# Altium PCB MB1936.PcbDoc (part 11 of 13) (continued)
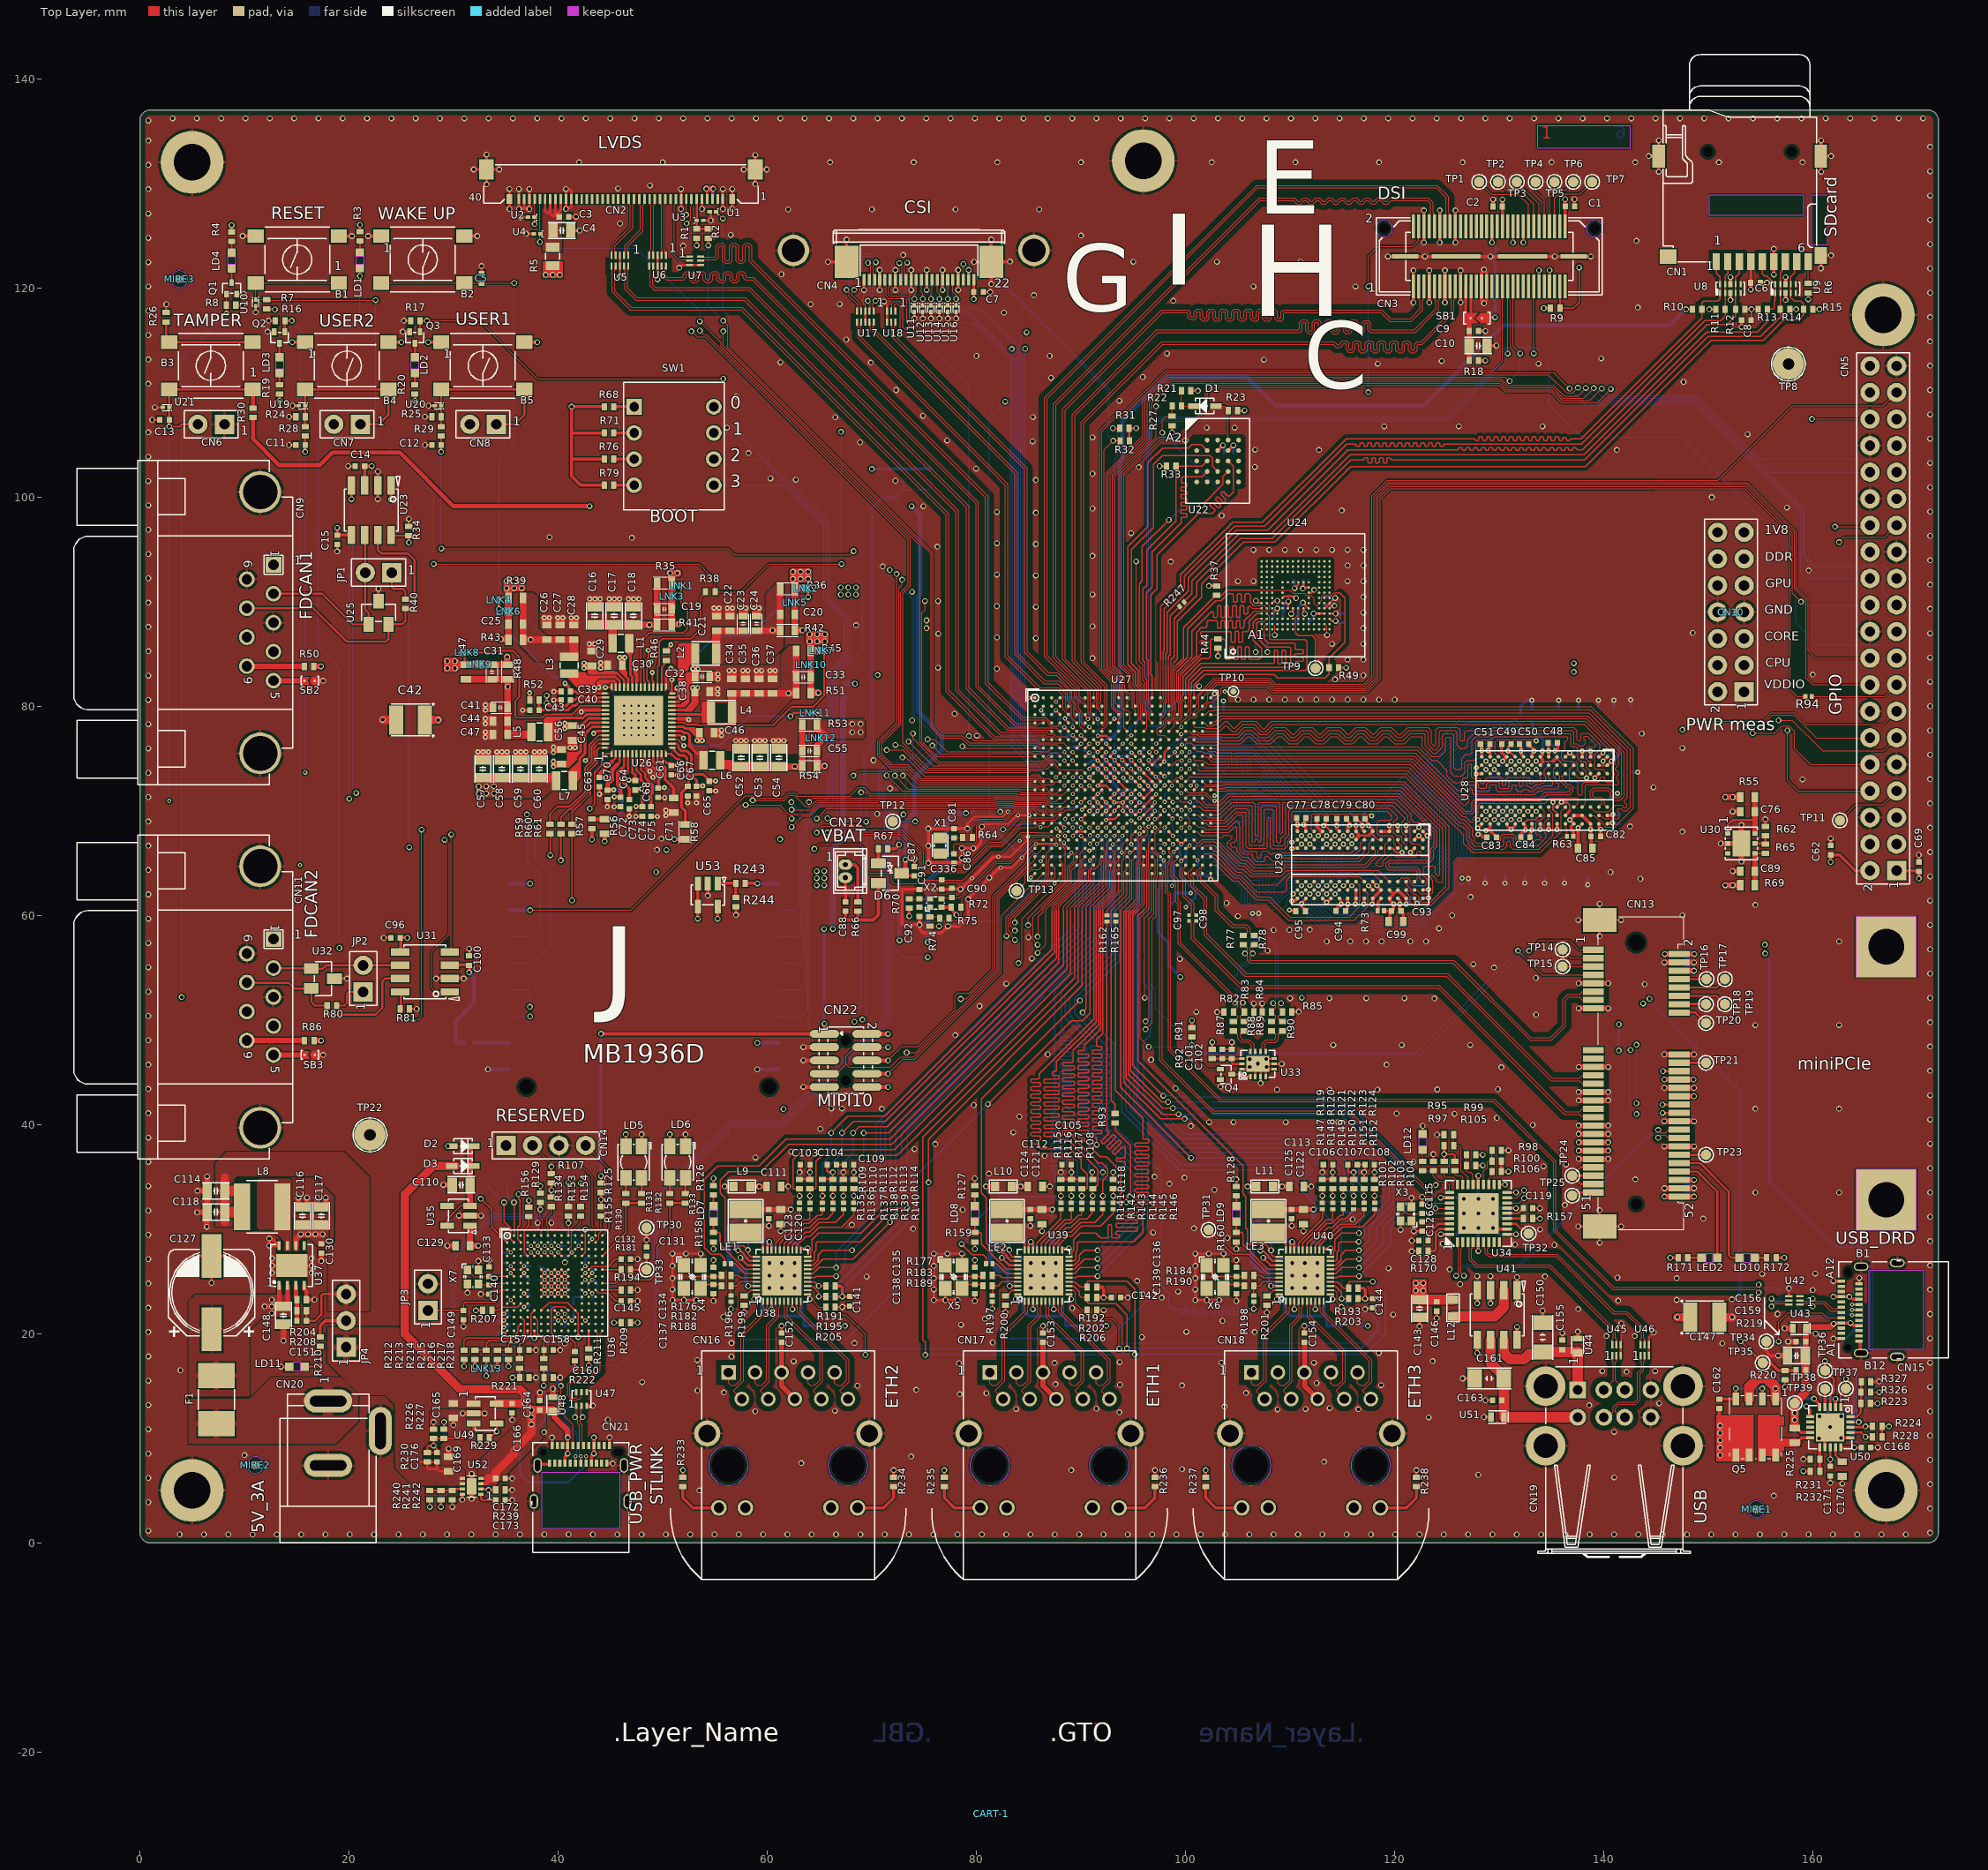
[diagram p0: Top Layer view]
## Nets (pads, with @x,y where several pads share a name; then routed paths per layer and width w, separated by ;. In a path a pad name is that pad's centre, name@x,y a point inside that pad or via, vN(x,y) a via of type N, cw(c..) or ccw(c..) an arc to the next point about the centre after c; other vN are vias at no path point) (continued)
SD.SDMMC1_D3: CN1.2 R11.1 U8.2 U8.9 U27.B16 | length 86.1
  Top Layer w0.09: U27.B16@97.6,80 97.6,80.365 97.805,80.57 97.805,80.574 97.885,80.654 97.885,81.151 97.861,81.175 97.861,84.475
  Top Layer w0.11: 97.861,84.475 97.861,85.186 97.938,85.262 97.938,89.284 99.15,90.496 99.896,91.242 99.896,92.421 104.684,97.209 107.584,97.209 115.425,105.05 115.8,105.05 116.219,105.05 116.31,104.959 116.31,104.917 116.401,104.826 116.583,104.826 116.674,104.917 116.674,105.074 116.765,105.165 116.947,105.165 117.038,105.074 117.038,104.917 117.129,104.826 117.311,104.826 117.402,104.917 117.402,105.074 117.493,105.165 117.675,105.165 117.766,105.074 117.766,104.917 117.857,104.826 118.039,104.826 118.13,104.917 118.13,105.074 118.221,105.165 118.403,105.165 118.494,105.074 118.494,104.917 118.585,104.826 118.767,104.826 118.858,104.917 118.858,105.074 118.949,105.165 119.131,105.165 119.222,105.074 119.222,104.917 119.313,104.826 119.495,104.826 119.586,104.917 119.586,105.074 119.677,105.165 119.859,105.165 119.95,105.074 119.95,104.917 120.041,104.826 120.223,104.826 120.314,104.917 120.314,105.074 120.405,105.165 120.587,105.165 120.678,105.074 120.678,104.917 120.769,104.826 120.951,104.826 121.042,104.917 121.042,105.074 121.133,105.165 121.315,105.165 121.406,105.074 121.406,104.917 121.497,104.826 121.679,104.826 121.77,104.917 121.77,105.074 121.861,105.165 122.043,105.165 122.134,105.074 122.134,104.917 122.225,104.826 122.407,104.826 122.498,104.917 122.498,105.074 122.589,105.165 122.771,105.165 122.862,105.074 122.862,104.917 122.953,104.826 123.135,104.826 123.226,104.917 123.226,105.074 123.317,105.165 123.499,105.165 123.59,105.074 123.59,104.917 123.681,104.826 123.863,104.826 123.954,104.917 123.954,105.074 124.045,105.165 124.227,105.165 124.318,105.074 124.318,104.928 124.409,104.837 124.591,104.837 124.682,104.928 124.682,104.959 124.773,105.05 125.7,105.05 137.85,105.05 149.675,116.875 151.2,116.875 151.6,117.275 R11.1@151.6,117.95 U8.2@151.6,119.52 U8.9@151.6,120.34 151.6,121.128 151.85,121.378 CN1.2@151.85,122.5
SD.uSD_DETECT: R6.1 U27.B13 | length 98.8
  Top Layer w0.09: 93.85,84.475 93.85,83.92 94.745,83.025 94.745,81.835 95.095,81.485 95.095,80.158 95.2,80.053 U27.B13@95.2,80
  Top Layer w0.1: 93.85,84.475 93.85,102.078 97.497,105.725 99.165,105.725 101.9,108.46 101.9,110 102.575,110.675 129.96,110.675 130.575,110.06 134.929,110.06 135.378,109.611 ; 135.371,109.604 135.94,109.035 139.36,109.035 v1(140.675,110.35)
  Top Layer w0.2: v1(159.55,118.905) R6.1@159.55,119.525
  Signal Layer 2 w0.1: v1(140.675,110.35) 144.2,110.35 149.6,115.75 157.375,115.75 159.55,117.925 v1(159.55,118.905)
SRC_GDPG: C162.1 Q5.2 Q5.4 R325.2 U50.5 | length 13.2
  Top Layer w0.2: Q5.2@155.15,13.755 Q5.2@155.155,13.75
  Top Layer w0.3: C162.1@151.045,13.75 Q5.4@152.615,13.75 ; Q5.4@152.61,13.755 v1(152.61,14.75) ; Q5.2@155.15,13.755 v1(155.15,14.75) ; v1(160.1,13.775) 160.65,13.225 U50.5@160.65,12.975
  Bottom Layer w0.3: v1(152.61,14.75) v1(155.15,14.75) 155.925,15.525 158.025,15.525 159.345,14.205 159.345,14.03 R325.2@159.45,13.925 ; R325.2@159.401,13.775 v1(160.1,13.775)
SRC_GDPS: Q5.1 Q5.3 R325.1 U50.6 | length 11.6
  Top Layer w0.3: Q5.1@156.42,13.755 v1(156.42,14.75) ; v1(159.375,13.05) 159.725,12.7 U50.6@159.725,12.05
  Top Layer w1: Q5.3@153.885,13.75 153.885,14.9 154.741,15.756 155.569,15.756 156.425,14.9 Q5.1@156.425,13.75
  Bottom Layer w0.3: v1(156.42,14.75) 157.295,13.875 R325.1@158.55,13.875 ; R325.1@158.55,13.925 158.655,13.82 158.655,13.41 158.982,13.082 159.343,13.082 v1(159.375,13.05)
STLK_LED: R130.1 R131.2 U36.D15 | length 7.5
  Top Layer w0.12: U36.D15@44.225,27.425 46.475,29.675 R130.1@46.475,32.475
  Top Layer w0.2: R130.1@46.475,32.475 R131.2@47.975,32.475
STLK_NRST: C149.2 JP3.1 U36.J1 | length 9
  Top Layer w0.12: JP3.1@27.597,22.225 C149.2@30.95,22.225 30.95,22.879 31.071,23 33.93,23 34.185,23.255 34.185,23.775 34.585,24.175 U36.J1@35.125,24.175
STLK_OSC_IN: C133.1 U36.G1 X7.1 | length 4.1
  Top Layer w0.1: X7.1@31.325,26.1 31.325,26.05 31.95,25.425 32.95,25.425 33,25.475 C133.1@33.395,25.475
  Top Layer w0.12: C133.1@33.395,25.475 U36.G1@35.125,25.475
STLK_OSC_OUT: C140.2 U36.H1 X7.3 | length 2.8
  Top Layer w0.1: X7.3@32.375,24.75 32.45,24.675 C140.2@33.395,24.675
  Top Layer w0.12: C140.2@33.395,24.675 33.95,24.675 34.1,24.825 U36.H1@35.125,24.825
STLK_SWCLK: CN14.2 U36.A14 | length 12.7
  Top Layer w0.1: CN14.2@37.545,38 39.145,36.4 41.85,36.4 43.25,35 43.25,30.3 43.575,29.975 U36.A14@43.575,29.375
STLK_SWDIO: CN14.4 U36.A15 | length 9.8
  Top Layer w0.1: CN14.4@42.625,38 44.875,35.75 44.875,30.025 U36.A15@44.225,29.375
STLK_UCPD_CC1_C: C157.1 R217.1 U36.M5 | length 5.3
  Top Layer w0.12: 36.568,19.068 37.4,19.9 37.4,21.9 U36.M5@37.725,22.225
  Top Layer w0.125: C157.1@36.305,18.425 36.305,18.994 36.378,19.068 36.568,19.068
  Top Layer w0.2: R217.1@36.305,17.6 C157.1@36.305,18.425
STLK_UCPD_CC2_C: C158.1 R218.1 U36.N5 | length 4.3
  Top Layer w0.12: U36.N5@37.725,21.575 38.05,21.25 38.05,19.95 38.625,19.375 C158.1@38.625,18.425
  Top Layer w0.2: R218.1@38.625,17.6 C158.1@38.625,18.425
STLK_USB_CN_N: CN21.A7 CN21.B7 U47.2 | length 12.3
  Top Layer w0.1: CN21.B7@41.665,7.61 v5(41.665,8.27) ; U47.2@42.225,13.114 42.225,12.139 v1(42.35,12.014) 42.11,11.774 42.11,11.49 42.275,11.325 42.275,9.65 42.415,9.51 CN21.A7@42.415,9.31
  Bottom Layer w0.1: v5(41.665,8.27) 41.665,8.339 41.805,8.479 41.805,10.161 40.555,11.411 40.555,12.53 41.1,13.075 41.775,13.075 42.085,12.765 42.085,12.267 42.338,12.014 v1(42.35,12.014)
STLK_USB_CN_P: CN21.A6 CN21.B6 U47.1 | length 11.6
  Top Layer w0.1: U47.1@41.725,13.114 41.725,12.139 v1(41.6,12.014) 41.89,11.724 41.89,11.465 41.89,11.399 42.055,11.234 42.055,9.65 41.915,9.51 CN21.A6@41.915,9.31 ; CN21.B6@42.165,7.61 v5(42.165,8.27)
  Bottom Layer w0.1: v1(41.6,12.014) 41.612,12.014 41.865,12.267 41.865,12.674 41.684,12.855 41.191,12.855 40.775,12.439 40.775,11.503 42.025,10.253 42.025,8.479 42.165,8.339 v5(42.165,8.27)
STLK_USB_N: U36.R14 U47.5 | length 10.5
  Top Layer w0.1: U47.5@42.225,14.414 42.225,13.889 42.091,13.755 41.883,13.755 41.758,13.63 41.359,13.63 40.905,14.084 40.905,15.18 41.525,15.8 43,15.8 43.79,16.59 43.79,20.06 U36.R14@43.575,20.275
STLK_USB_P: U36.R15 U47.6 | length 9.5
  Top Layer w0.1: U47.6@41.725,14.414 41.725,13.909 41.666,13.85 41.45,13.85 41.125,14.175 41.125,15.089 41.616,15.58 41.774,15.58 43.008,15.58 43.091,15.58 44.01,16.499 44.01,20.06 U36.R15@44.225,20.275
STLK_VCP_RX: R154.1 U36.C10 | length 3.7
  Top Layer w0.1: U36.C10@40.975,28.075 41.3,28.4 41.3,29.737 42.15,30.587 R154.1@42.15,31.25
STLK_VCP_TX: R134.1 U36.A7 | length 3
  Top Layer w0.1: U36.A7@39.025,29.375 39.025,30.274 38.925,30.374 38.925,31.08 39.35,31.505 R134.1@39.35,32.15
T_JTDI: R207.1 U36.L3 | length 3
  Top Layer w0.12: R207.1@33.675,22.225 34.3,22.225 34.625,22.55 36.1,22.55 U36.L3@36.425,22.875
T_PWR_EN: R229.2 R239.2 U36.R5 U49.4 U52.2 | length 21
  Top Layer w0.12: v1(37.725,19.575) U36.R5@37.725,20.275
  Top Layer w0.2: U52.2@32.625,5.15 v1@33.35,5.15 ; v1(33.35,5.05) R239.2@34.025,5.05 ; R229.2@33.425,10.05 33.425,10.145 33.58,10.3 33.78,10.3 v1(34.125,10.645) U49.4@34.125,11.425
  Bottom Layer w0.1: v1(33.35,5.05) 33.35,9.87 v1(34.125,10.645) 34.125,15.875 34.725,16.475 34.725,17.9 36.4,19.575 v1(37.725,19.575)
T_PWR_EXT: R215.1 R216.1 U36.R4 | length 4.1
  Top Layer w0.12: R215.1@34.2,18.425 R216.1@35.25,18.425 35.25,18.975 35.342,19.068 35.955,19.068 36.262,19.375 36.425,19.375 37.075,20.025 U36.R4@37.075,20.275
T_PWR_INT: C176.2 R226.1 R227.2 R230.2 U36.B13 U49.3 | length 44.1
  Top Layer w0.15: U36.B13@42.925,28.725 v2(43.25,29.05)
  Top Layer w0.2: U49.3@31.925,11.425 31.925,10.854 31.046,9.975 R226.1@28.07,9.975 v1(28.07,9.3) ; v1(28.07,9.3) 27.637,9.3 27.475,9.138 R230.2@27.475,8.625 C176.2@28.425,8.625 28.425,8.945 v1(28.07,9.3)
  Bottom Layer w0.1: v1(28.07,9.3) 29.55,10.78 29.55,11.426 29.775,11.651 29.775,27.541 33.659,31.425 40.867,31.425 41.931,30.361 41.931,29.919 42.8,29.05 v2(43.25,29.05)
T_PWR_LED: R132.2 R133.2 U36.H15 | length 14.3
  Top Layer w0.12: U36.H15@44.225,24.825 45.445,24.825 45.77,25.15 48.775,25.15 49.45,25.825 49.45,28.293 50.675,29.518 R132.2@50.675,32.475
  Top Layer w0.2: R132.2@50.675,32.475 R133.2@52.175,32.475
T_PWR_SEL1: R241.2 U36.D10 | length 40.9
  Top Layer w0.15: U36.D10@40.975,27.425 v2(41.3,27.75)
  Top Layer w0.2: v1(28.795,3.425) R241.2@28.795,4.1
  Bottom Layer w0.1: v1(28.795,3.425) 28.795,4.195 30.6,6 30.6,12.049 30.175,12.474 30.175,27.375 33.825,31.025 39.526,31.025 41.3,29.251 v2(41.3,27.75)
T_PWR_SEL2: R240.2 U36.C11 | length 41.4
  Top Layer w0.15: U36.C11@41.625,28.075 v2(41.95,28.4)
  Top Layer w0.2: v1(27.72,3.425) R240.2@27.72,4.1
  Bottom Layer w0.1: v1(27.72,3.425) 30.4,6.105 30.4,11.9 29.975,12.325 29.975,27.458 33.742,31.225 39.609,31.225 41.95,28.884 v2(41.95,28.4)
T_SWCLK: R153.1 U36.A10 U36.M6 U36.M11 | length 20.4
  Top Layer w0.12: U36.M6@38.375,22.225 39.113,22.963 40.887,22.963 U36.M11@41.625,22.225 41.925,21.925 v1(41.925,19.675) ; U36.A10@40.975,29.375 v1(40.975,30.575)
  Top Layer w0.2: v1(40.975,30.575) R153.1@40.975,31.25
  Signal Layer 2 w0.1: v1(40.975,30.575) 40.975,28.075 40.215,27.315 40.215,26.645 40.47,26.39 40.569,26.39 41.925,25.034 v1(41.925,19.675)
T_SWDIO: R209.1 U36.L2 U36.N12 | length 17.3
  Top Layer w0.15: v2(35.45,23.2) U36.L2@35.775,22.875 ; U36.N12@42.275,21.575 v2(42.6,21.25)
  Top Layer w0.2: v1(45.35,21.05) R209.1@46.025,21.05
  Signal Layer 2 w0.1: v2(35.45,23.2) 38.8,19.85 38.8,18.775 39.75,17.825 41.625,17.825 42.6,18.8 v2(42.6,21.25) 43.875,21.25 44.075,21.05 v1(45.35,21.05)
T_SWO: R129.1 U36.A6 U36.D12 | length 11.3
  Top Layer w0.1: v1(38.3,31.875) 38.3,31.046 38.5,30.846 38.5,29.9 38.375,29.775 U36.A6@38.375,29.375
  Top Layer w0.12: U36.D12@42.275,27.425 42.6,27.75 v1(42.6,29.975)
  Top Layer w0.2: v1(38.3,31.875) R129.1@38.3,32.55
  Signal Layer 2 w0.1: v1(38.3,31.875) 41.025,31.875 41.812,31.087 41.812,30.762 v1(42.6,29.975)
T_VCC: LNK13.2 R214.2 | length 0.6
  Top Layer w0.2: LNK13.2@33.125,16.88 R214.2@33.125,17.525
T_VCC_AIN: R213.1 R214.1 U36.N3 | length 7.4
  Top Layer w0.12: R213.1@32.05,18.425 R214.1@33.125,18.425 33.125,19.068 33.383,19.325 35.687,19.325 36.071,19.709 36.366,19.709 36.75,20.093 36.75,21.25 U36.N3@36.425,21.575
TCPP_EN: R326.1 U27.Y4 | length 137.9
  Top Layer w0.1: v1(84.025,55.425) 84.35,55.75 84.35,59.675 87.147,62.472 87.428,62.472 88.3,63.343 88.3,64.91 88,65.21 U27.Y4@88,65.6 ; R326.1@165.5,14.4 v1(166.325,14.4)
  Signal Layer 2 w0.1: v1(84.025,55.425) 84.632,55.425 84.892,55.165 87.81,55.165 88.389,54.587 94.619,54.587 97.556,51.65 97.556,49.161 100.192,46.525 101.717,45 139.75,45 141.875,42.875 147.25,42.875 151.775,38.35 151.775,12.7 157.1,7.375 163.7,7.375 166.5,10.175 166.5,11.35 167.1,11.95 167.1,13.625 v1(166.325,14.4)
TCPP_INTN: U27.W6 U50.19 | length 131.1
  Top Layer w0.09: U50.19@163.575,11.55 v1(164.375,11.55)
  Top Layer w0.1: v1(85.851,57.184) 85.42,57.615 85.42,59.82 86.075,60.475 86.2,60.6 86.2,60.705 88.722,63.227 88.722,64.601 89.31,65.189 89.31,65.72 89.6,66.01 U27.W6@89.6,66.4
  Signal Layer 2 w0.1: v1(85.851,57.184) 86.406,56.629 87.195,56.629 88.637,55.187 94.868,55.187 98.156,51.898 98.156,49.41 100.441,47.125 140.774,47.125 142.124,45.775 149.271,45.775 153.675,41.371 153.675,12.05 156.925,8.8 163.024,8.8 164.075,9.851 164.075,11.25 v1(164.375,11.55)
TOF_INT: CN4.12 U12.1 U27.J5 | length 56.2
  Top Layer w0.1: CN4.12@74.75,120.75 74.75,119.55 74.86,119.44 v1(74.86,118.937) U12.1@74.86,118.312 ; v2(88.4,74.8) U27.J5@88.8,74.4
  Bottom Layer w0.1: v1(74.86,118.937) 75.822,117.975 80.242,117.975 83.825,114.392 83.825,113.833 84.05,113.608 84.05,77.818 87.068,74.8 v2(88.4,74.8)
TOF_LPn: CN4.11 U11.1 U27.K4 | length 56.7
  Top Layer w0.1: U11.1@74.06,118.312 v1(74.06,118.937) 74.06,119.385 74.25,119.575 CN4.11@74.25,120.75 ; v2(87.6,73.2) U27.K4@88,73.6
  Bottom Layer w0.1: v1(74.06,118.937) 75.222,117.775 79.149,117.775 83.65,113.274 83.65,77.149 v2(87.6,73.2)
UART5_RX: R125.1 R155.1 U27.H3 | length 80.6
  Top Layer w0.09: 81.172,74.485 84.782,74.485 84.862,74.565 86.439,74.565 86.939,75.065 87.011,75.065 87.146,75.2 U27.H3@87.2,75.2
  Top Layer w0.1: v1(73.925,77.375) 73.907,77.375 73.925,77.357 73.925,76.908 76.348,74.485 81.172,74.485
  Top Layer w0.2: R155.1@44.1,32.15 v1(44.1,32.825) R125.1@44.1,33.5
  Bottom Layer w0.1: v1(44.1,32.825) 48.923,32.825 56.473,40.375 61.325,40.375 71.25,50.3 71.25,70.25 70.586,70.914 70.586,73.721 71.49,74.625 73.275,74.625 73.925,75.275 v1(73.925,77.375)
UART5_TX: R211.1 U27.G3 | length 92.6
  Top Layer w0.09: 82.831,75.659 82.837,75.659 ; 86.865,75.665 U27.G3@87.2,76
  Top Layer w0.1: v1(75.332,76.834) 75.981,76.834 77.176,75.639 81.172,75.639 81.182,75.649 82.821,75.649 82.831,75.659 85.38,75.659 85.401,75.68 86.126,75.68 86.141,75.665 86.865,75.665
  Top Layer w0.2: v1(42.925,16.98) R211.1@42.925,17.655
  Bottom Layer w0.1: v1(42.925,16.98) 45.855,16.98 49.21,20.335 49.21,32.829 56.556,40.175 61.408,40.175 71.45,50.217 71.45,70.333 70.791,70.992 70.791,73.636 71.58,74.425 73.358,74.425 74.825,75.892 74.825,76.327 v1(75.332,76.834)
UCPD_CC1: TP37.1 U27.T15 U50.1 | length 112.9
  Top Layer w0.09: v2(96.455,68.481) 96.468,68.481 96.787,68.8 U27.T15@96.8,68.8
  Top Layer w0.2: U50.1@162.65,12.975 162.65,14.25 TP37.1@163.15,14.75 ; TP37.1@163.153,14.753 v1(163.153,15.646)
  Signal Layer 2 w0.1: v2(96.455,68.481) 96.455,64.975 97.18,64.25 99.542,64.25 101.75,62.042 101.75,60.475 101.75,53 104.15,50.6 108.075,50.6 108.675,50 131.35,50 133.175,51.825 143.5,51.825 v1(143.75,51.575)
  Bottom Layer w0.1: v1(143.75,51.575) 144.542,51.575 152.925,43.192 152.925,22.6 155.85,19.675 157.801,19.675 160.683,16.793 162.005,16.793 v1(163.153,15.646)
UCPD_CC2: TP36.1 U27.T17 U50.3 | length 112.5
  Top Layer w0.1: v2(98,68.4) U27.T17@98.4,68.8
  Top Layer w0.2: TP36.1@161.15,16.475 162,15.625 162,14.424 161.65,14.074 U50.3@161.65,12.975 ; TP36.1@161.153,16.478 v1(161.153,17.371)
  Signal Layer 2 w0.1: v2(98,68.4) 96.645,67.044 96.645,65.054 97.259,64.44 99.621,64.44 99.811,64.25 99.825,64.25 101.925,62.15 101.925,62.136 101.95,62.111 101.95,60.475 101.95,53.083 104.233,50.8 108.158,50.8 108.758,50.2 131.267,50.2 133.092,52.025 v1(144.375,52.025)
  Bottom Layer w0.1: v1(144.375,52.025) 153.125,43.275 153.125,22.683 155.933,19.875 157.884,19.875 160.388,17.371 v1(161.153,17.371)
USART2_RX: R107.1 R134.2 U27.W15 | length 82.5
  Top Layer w0.09: U27.W15@96.8,66.4 96.8,66.138 97.305,65.633 97.305,63.626 97.165,63.486 97.165,59.915 96.938,59.688
  Top Layer w0.1: v1(96.175,49.098) 96.8,49.723 96.8,59.55 96.938,59.688
  Top Layer w0.2: R134.2@39.35,33.05 v1(39.35,33.725) R107.1@39.35,34.4
  Signal Layer 2 w0.1: v1(39.35,33.725) 41.9,33.725 52.55,33.725 58.875,40.05 73.05,40.05 82.098,49.098 83.3,49.098 v1(96.175,49.098)
USART2_TX: R154.2 U27.Y15 | length 79.3
  Top Layer w0.09: 96.689,59.889 96.975,60.175 96.975,63.595 97.115,63.735 97.115,65.285 U27.Y15@96.8,65.6
  Top Layer w0.1: R154.2@42.15,32.15 v1(42.15,34.4) ; v1(96.175,49.85) 96.525,50.2 96.525,59.725 96.689,59.889
  Signal Layer 2 w0.1: v1(42.15,34.4) 42.625,33.925 52.467,33.925 58.792,40.25 72.967,40.25 82.015,49.298 82.4,49.298 95.623,49.298 v1(96.175,49.85)
USB1CN_N: CN19.T2 U45.1 | length 3.6
  Top Layer w0.1: CN19.T2@140,14.62 140.89,15.51 140.89,17.285 140.75,17.425 U45.1@140.75,17.775
USB1CN_P: CN19.T3 U45.2 | length 3.6
  Top Layer w0.1: U45.2@141.25,17.775 141.25,17.425 141.11,17.285 141.11,15.51 CN19.T3@142,14.62
USB2CN_N: CN19.B2 U46.1 | length 8.4
  Top Layer w0.1: CN19.B2@140,12 140.34,12 140.89,12.55 140.89,12.976 141.389,13.476 142.976,13.476 143.231,13.731 143.231,16.231 143.59,16.59 143.59,17.285 143.45,17.425 U46.1@143.45,17.775
USB2CN_P: CN19.B3 U46.2 | length 8.4
  Top Layer w0.1: CN19.B3@142,12 141.66,12 141.11,12.55 141.11,12.885 141.481,13.256 143.067,13.256 143.451,13.639 143.451,16.139 143.81,16.499 143.81,17.285 143.95,17.425 U46.2@143.95,17.775
USB_DCONN_N: CN15.A7 CN15.B7 U42.2 | length 13.2
  Top Layer w0.1: U42.2@158.75,23.175 159,23.175 159.09,23.085 159.387,23.085 159.721,23.085 v1(159.986,23.35) 159.995,23.35 160.25,23.095 161.092,23.095 161.802,22.385 162.36,22.385 162.5,22.525 CN15.A7@162.7,22.525 ; v5(163.74,21.775) CN15.B7@164.4,21.775
  Bottom Layer w0.1: v1(159.986,23.35) 159.721,23.085 158.807,23.085 158.53,22.808 158.53,22.159 159.159,21.53 161.35,21.53 161.735,21.915 163.531,21.915 163.671,21.775 v5(163.74,21.775)
USB_DCONN_P: CN15.A6 CN15.B6 U42.1 | length 12.5
  Top Layer w0.1: U42.1@158.75,22.775 159,22.775 159.09,22.865 159.478,22.865 159.721,22.865 v1(159.986,22.6) 159.986,22.608 160.253,22.875 161.001,22.875 161.711,22.165 162.36,22.165 162.5,22.025 CN15.A6@162.7,22.025 ; v5(163.74,22.275) CN15.B6@164.4,22.275
  Bottom Layer w0.1: v1(159.986,22.6) 159.721,22.865 158.899,22.865 158.75,22.716 158.75,22.25 159.25,21.75 161.259,21.75 161.644,22.135 163.531,22.135 163.671,22.275 v5(163.74,22.275)
USBDN2_N: U34.3 U45.6 | length 19.5
  Top Layer w0.1: U34.3@127,28.75 127,28.25 127.14,28.11 127.14,27.049 127.834,26.355 134.759,26.355 140.89,20.224 140.89,19.565 140.75,19.425 U45.6@140.75,19.075
USBDN2_P: U34.4 U45.5 | length 19.5
  Top Layer w0.1: U34.4@127.5,28.75 127.5,28.25 127.36,28.11 127.36,27.14 127.925,26.575 134.85,26.575 141.11,20.315 141.11,19.565 141.25,19.425 U45.5@141.25,19.075
USBDN3_N: U34.6 U46.6 | length 20.5
  Top Layer w0.1: U34.6@128.5,28.75 128.5,28.25 128.64,28.11 128.64,27.685 128.95,27.375 135.439,27.375 140.914,21.9 142.133,21.9 143.59,20.443 143.59,19.875 143.59,19.565 143.45,19.425 U46.6@143.45,19.075
USBDN3_P: U34.7 U46.5 | length 20.5
  Top Layer w0.1: U34.7@129,28.75 129,28.25 128.86,28.11 128.86,27.776 129.041,27.595 135.53,27.595 141.005,22.12 142.224,22.12 143.81,20.534 143.81,19.565 143.95,19.425 U46.5@143.95,19.075
USBDR_N: U27.Y17 U42.5 | length 94.3
  Top Layer w0.1: U27.Y17@98.4,65.6 98.4,65.546 98.48,65.466 98.48,65.28 98.08,64.88 98.08,62.245 98.35,61.975 98.35,47.114 103.284,42.18 129.434,42.18 135.2,36.414 135.2,29.839 140.834,24.205 154.54,24.205 v1(154.81,23.935) ; v1(156.027,23.35) 156.292,23.085 156.523,23.085 157.36,23.085 157.45,23.175 U42.5@157.7,23.175
  Bottom Layer w0.1: v1(154.81,23.935) 155.075,24.2 156.65,24.2 156.85,24 156.85,23.535 156.4,23.085 156.292,23.085 v1(156.027,23.35)
USBDR_P: U27.W17 U42.6 | length 95.6
  Top Layer w0.1: U27.W17@98.4,66.4 98.4,66.01 98.7,65.71 98.7,65.189 98.3,64.789 98.3,62.336 98.57,62.066 98.57,47.205 103.375,42.4 129.525,42.4 135.42,36.505 135.42,29.93 140.925,24.425 154.55,24.425 v1(154.81,24.685) ; v1(156.027,22.6) 156.292,22.865 156.432,22.865 157.36,22.865 157.45,22.775 U42.6@157.7,22.775
  Bottom Layer w0.1: v1(154.81,24.685) 155.075,24.42 156.741,24.42 157.07,24.091 157.07,23.444 156.491,22.865 156.292,22.865 v1(156.027,22.6)
USBH_N: U27.AB16 U34.30 | length 52.3
  Top Layer w0.1: U27.AB16@97.6,64 97.603,63.997 97.603,63.728 97.536,63.661 97.536,46.128 102.589,41.075 115.589,41.075 122.914,33.75 v1(123.35,33.75) ; v1(123.35,32.5) U34.30@125.25,32.5
  Bottom Layer w0.1: v1(123.35,32.5) 123.35,32.525 123.68,32.855 123.68,33.42 v1(123.35,33.75)
USBH_P: U27.AA16 U34.31 | length 53.5
  Top Layer w0.1: U27.AA16@97.6,64.8 97.6,64.439 97.89,64.149 97.89,63.88 97.823,63.813 97.823,63.637 97.756,63.569 97.756,46.219 102.68,41.295 115.68,41.295 122.775,34.2 123.1,34.2 v1(123.925,34.2) ; v1(123.9,31.975) 123.925,32 U34.31@125.25,32
  Bottom Layer w0.1: v1(123.9,31.975) 123.9,34.175 v1(123.925,34.2)
VBAT: C87.2 D6.3 R30.2 U27.P7 | length 127.5
  Top Layer w0.2: v2(90.1,70.1) U27.P7@90.4,70.4
  Top Layer w0.3: D6.3@73.2,64.375 72.85,64.025 D6.3@72.825,64.025 73.075,63.775 C87.2@74.062,63.775
  Top Layer w0.4: R30.2@10.813,107.613 10.813,105.562 13.325,103.05 17.2,103.05 18.4,104.25 24.85,104.25 29.975,99.125 v1(43,99.125)
  Top Layer w0.45: D6.3@73.2,64.375 v1(73.2,65.331)
  Signal Layer 3 w0.45: v1(43,99.125) v1(73.8,99.125) ; v1(73.2,65.331) 73.2,65.625 73.6,66.025 76.3,66.025 77.4,67.125 83.383,67.125 83.908,67.65 84.15,67.65 86.6,70.1 v2(90.1,70.1)
  Bottom Layer w0.45: v1(73.2,65.331) 73.2,68.874 74.075,69.749 74.075,73.175 76.675,75.775 76.675,77.25 74.45,79.475 74.45,90.525 74.6,90.675 74.6,98.325 v1(73.8,99.125)
VBUS_DIV: R219.1 R220.2 TP35.1 U27.AA6 | length 113.9
  Top Layer w0.1: v1(85.851,56.429) 86.62,57.198 86.62,60.475 86.62,60.589 89.102,63.07 89.102,64.302 U27.AA6@89.6,64.8
  Top Layer w0.2: v1(153.075,19.275) 153.096,19.275 155.171,17.2 TP35.1@155.193,17.2
  Top Layer w0.3: TP35.1@155.193,17.2 155.196,17.197 155.958,17.197 156.675,16.48 157.32,16.48 R220.2@157.325,16.475 R219.1@158.4,16.475
  Signal Layer 2 w0.1: v1(85.851,56.429) 87.112,56.429 88.555,54.987 94.785,54.987 97.956,51.816 97.956,49.327 100.358,46.925 140.691,46.925 142.041,45.575 149.189,45.575 153.475,41.289 153.475,19.669 153.081,19.275 v1(153.075,19.275)
VBUS_HOST_EN: R323.2 U34.16 U41.3 | length 16.1
  Top Layer w0.1: U34.16@130.75,32.5 131.925,32.5 v1(132.375,32.95)
  Top Layer w0.3: v1(129.16,22.9) U41.3@129.16,24.15
  Signal Layer 2 w0.15: v1(129.16,22.9) 130.544,22.9 132.4,24.757 132.4,32.925 v1(132.375,32.95)
  Bottom Layer w0.3: v1(129.16,22.9) R323.2@129.16,23.775
VBUS_HOST_EN2: R324.2 U34.18 U41.4 | length 16.9
  Top Layer w0.15: U34.18@130.75,33.5 v1(131.6,33.5)
  Top Layer w0.3: v1(127.89,22.9) U41.4@127.89,24.15
  Signal Layer 2 w0.15: v1(127.89,22.9) 128.415,23.425 130.715,23.425 132.15,24.86 132.15,32.246 131.6,32.796 v1(131.6,33.5)
  Bottom Layer w0.3: v1(127.89,22.9) R324.2@127.89,23.775
VBUS_HOST_FAULT2n: U34.19 U41.5 | length 20.6
  Top Layer w0.2: U34.19@130,34.25 v1(130.55,34.25)
  Top Layer w0.3: v1(127.89,18.15) U41.5@127.89,19.4
  Signal Layer 2 w0.2: v1(127.89,18.15) 127.89,20.98 127.22,21.65 127.22,23.58 127.865,24.225 129.635,24.225 130.55,25.14 v1(130.55,34.25)
VBUS_HOST_FAULTn: U34.17 U41.8 | length 17
  Top Layer w0.1: U34.17@130.75,33 131.701,33 132.025,33.324 132.025,33.364 v1(132.37,33.709)
  Top Layer w0.3: U41.8@131.7,19.4 v1(131.7,20.65)
  Signal Layer 2 w0.15: v1(131.7,20.65) 131.7,22 132.925,23.225 132.925,33.154 v1(132.37,33.709)
VBUS_STLK: C164.1 C166.2 C172.2 CN21.A4 CN21.A9 CN21.B4 CN21.B9 D3.1 U48.1 U49.5 U52.3 U52.4 | length 58.6
  Top Layer w0.3: U52.3@32.625,5.65 33.149,5.65 33.325,5.826 33.325,6.15 U52.4@32.625,6.15 ; C164.1@38.25,12.7 C164.1@38.262,12.688 ; U48.1@39.488,12.688 U48.1@39.5,12.675 ; CN21.B9@40.665,7.61 40.665,8.244 40.915,8.494 v1(40.915,8.535) v1(40.915,10.063) ; CN21.B4@43.165,7.61 43.165,8.244 43.415,8.494 v1(43.415,8.535) CN21.A9@43.415,9.31 v1(43.415,10.063)
  Top Layer w0.55: U48.1@39.5,12.675 39.63,12.675 39.63,12.014 40.019,11.625 40.915,10.729 v1(40.915,10.063)
  Top Layer w0.8: D3.1@30.22,36.025 28.05,36.025 25.35,33.325 25.35,19.95 30.63,14.67 36.351,14.67 36.82,14.201 v1(36.82,13.325) ; 33.325,6.15 C172.2@34.025,6.15 34.025,6.75 35.8,8.525 35.8,8.875 37.445,10.52 v1(37.445,12.7) ; U49.5@34.125,13.325 C166.2@35.6,13.325 v1(36.82,13.325) ; C164.1@38.25,12.7 v1(37.445,12.7) ; C164.1@38.262,12.688 U48.1@39.488,12.688 ; v1(36.82,13.325) v1(37.445,12.7)
  other v1: 37.445,11.327 37.445,12.014
VBUSc: C156.2 C159.2 CN15.A4 CN15.A9 CN15.B4 CN15.B9 R219.2 R225.1 R232.1 TP39.1 U43.1 U50.9 | length 25.6
  Top Layer w0.2: v1(159.075,6.845) R232.1@159.75,6.845
  Top Layer w0.3: R225.1@158.25,10.975 158.43,10.975 158.855,10.55 U50.9@159.725,10.55 ; C159.2@159.3,17.875 C159.2@159.275,17.9 C159.2@159.3,17.925 ; C156.2@159.3,19.25 C156.2@159.312,19.263 ; U43.1@159.312,20.488 U43.1@159.325,20.5 ; v1(161.947,23.525) CN15.A9@162.7,23.525 v1(163.475,23.525) 163.516,23.525 163.766,23.275 CN15.B4@164.4,23.275 ; v1(161.972,20.937) 162.04,20.937 162.128,21.025 CN15.A4@162.7,21.025 163.641,21.025 163.891,20.775 CN15.B9@164.4,20.775
  Top Layer w0.55: C159.2@159.3,17.925 C156.2@159.3,19.25 ; C156.2@159.312,19.263 U43.1@159.312,20.488 ; U43.1@159.325,20.5 159.325,20.65 161.685,20.65 v1(161.972,20.937)
  Top Layer w0.8: R225.1@158.25,10.975 TP39.1@158.25,13.345 159.3,14.395 C159.2@159.3,17.875
  Bottom Layer w0.3: v1(158.25,11.75) 158.25,7.67 v1(159.075,6.845)
  other v1: 158.25,12.4 163.59,21.025
VDD3V3_USB: C61.2 R286.1 U26.13 | length 74.4
  Top Layer w0.21: U26.13@49.9,75.457 49.9,75.027 50.363,74.565 50.618,74.565 50.62,74.562 50.69,74.562 50.825,74.427 C61.2@50.825,74.357
  Top Layer w0.3: C61.2@50.825,74.357 v3(51.435,74.357)
  Signal Layer 3 w0.5: v3(51.435,74.357) 52.55,73.242 52.55,72.525 56.888,68.187 61.437,68.187 62.125,67.5 62.125,62.95 ; v1(99.5,54.1) 83.825,54.1 79.05,58.875 79.05,60.35 78.475,60.925 64.15,60.925 62.963,62.112 ; 62.125,62.95 62.963,62.112 ; 62.125,62.95 62.963,62.112
  Bottom Layer w0.3: R286.1@97.725,63.575 97.725,62.825 97.35,62.45 97.35,60.475 97.35,58.387 98.35,57.387 98.35,55.25 v1(99.5,54.1)

## Text inside footprints (layer, text, board x,y; h text height)
X3: M14-Top Assembly "4" at 120.755,30.7 h0.5 r90; M14-Top Assembly "3" at 120.755,31.975 h0.5 r90; M14-Top Assembly "2" at 121.73,31.975 h0.5 r90; M14-Top Assembly "1" at 121.73,30.725 h0.5 r90
X7: M14-Top Assembly "1" at 31.2,26.15 h0.5 r270; M14-Top Assembly "2" at 31.2,24.9 h0.5 r270; M14-Top Assembly "3" at 32.175,24.9 h0.5 r270; M14-Top Assembly "4" at 32.175,26.175 h0.5 r270